# Altium PCB Soldermask_new.PcbDoc (part 3 of 4)
Units mm, origin at the board's own origin, x right, y up, seen from the top; angles counter-clockwise.
Board outline 56.52 x 96.27 mm, 2 copper layers (Top Layer, Bottom Layer); 83 components, 70 nets, 284 pads, 137 vias.
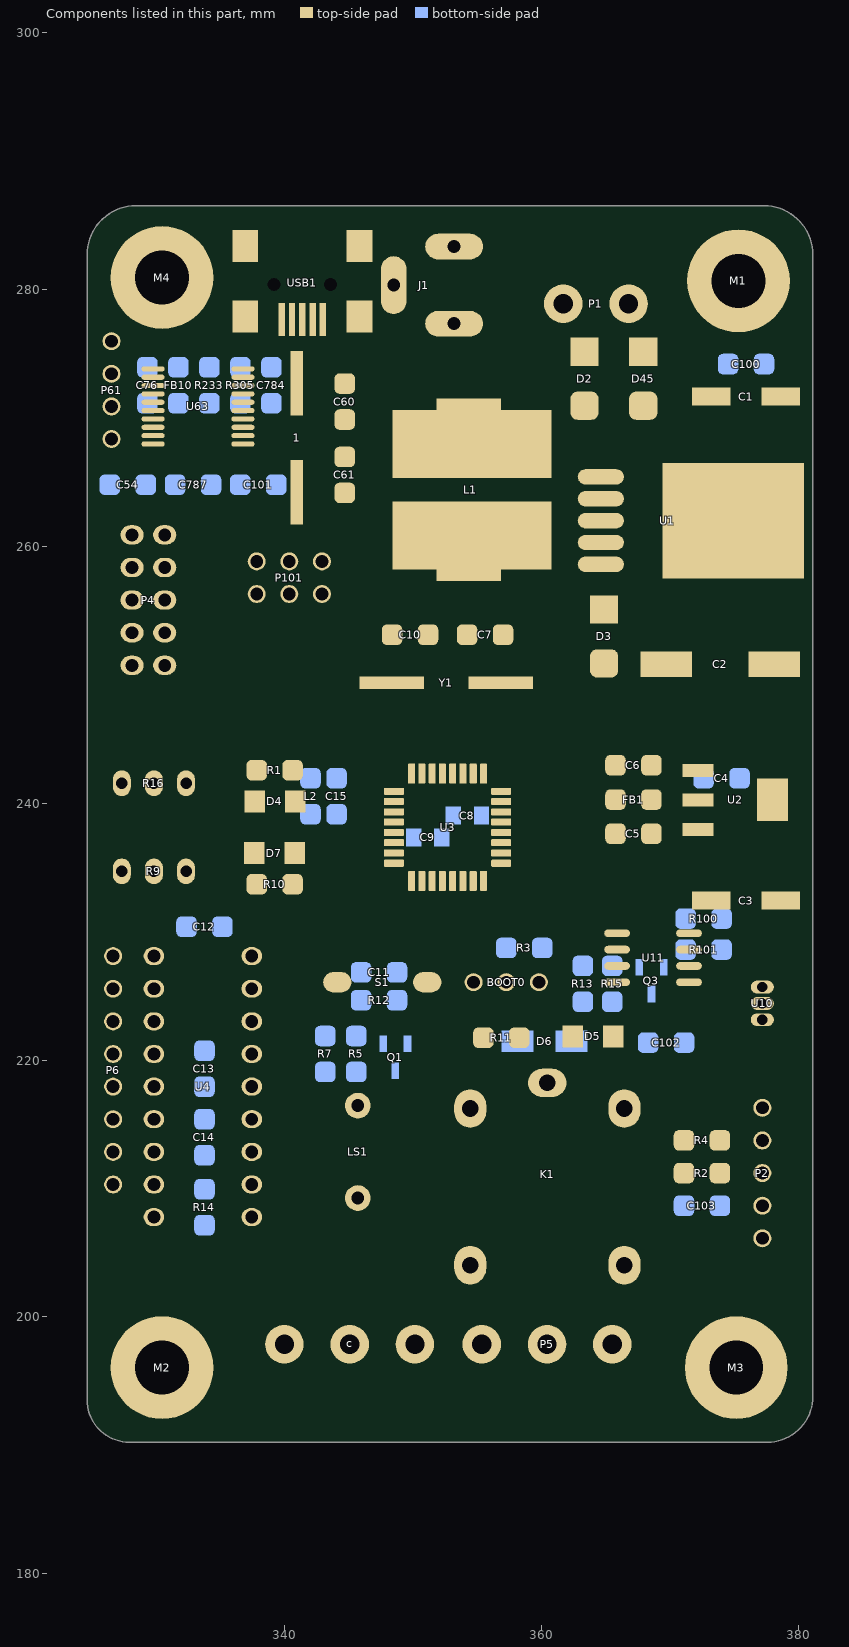
[diagram p3: the components of this part, seen from the top]

## Via types
v1: diameter 1, hole 0.5, Top Layer to Bottom Layer, tented both sides, 102 vias
v2: diameter 0.8, hole 0.5, Top Layer to Bottom Layer, tented both sides, 32 vias
v3: diameter 1, hole 0.5, Top Layer to Bottom Layer, 3 vias

## Nets (pads, with @x,y where several pads share a name; then routed paths per layer and width w, separated by ;. In a path a pad name is that pad's centre, name@x,y a point inside that pad or via, vN(x,y) a via of type N, cw(c..) or ccw(c..) an arc to the next point about the centre after c; other vN are vias at no path point) (continued)
copper on no net: (continued)
  Bottom Layer w0.051: 350.164,263.22 350.215,263.22 ; 350.215,263.119 350.317,263.119 ; 350.215,263.169 350.266,263.169 ; 350.266,263.068 350.368,263.068 ; 350.317,263.017 350.418,263.017 ; 350.368,262.306 350.774,262.306 ; 350.368,262.966 350.52,262.966 ; 350.418,262.204 350.825,262.204 ; 350.418,262.255 350.825,262.255 ; 350.418,262.357 350.571,262.357 ; 350.418,262.915 350.571,262.915 ; 350.469,261.696 350.571,261.696 ; 350.469,261.747 350.52,261.747 ; 350.469,262.153 350.52,262.153 ; 350.469,262.407 350.672,262.407 ; 350.469,262.865 350.622,262.865 ; 350.52,261.645 350.672,261.645 ; 350.52,262.458 350.723,262.458 ; 350.52,262.509 350.723,262.509 ; 350.52,262.56 350.672,262.56 ; 350.52,262.611 350.672,262.611 ; 350.52,262.814 350.672,262.814 ; 350.571,261.595 350.723,261.595 ; 350.571,262.763 350.723,262.763 ; 350.622,262.153 350.825,262.153 ; 350.622,262.712 350.774,262.712 ; 350.672,261.544 350.774,261.544 ; 350.672,262.103 350.774,262.103 ; 350.672,262.357 350.723,262.357 ; 350.672,262.661 350.825,262.661 ; 350.723,261.442 351.079,261.442 ; 350.723,261.493 350.977,261.493 ; 350.723,262.611 350.926,262.611 ; 350.774,261.391 351.18,261.391 ; 350.825,261.341 351.231,261.341 ; 350.825,262.56 350.977,262.56 ; 350.876,261.29 351.282,261.29 ; 350.876,262.509 351.028,262.509 ; 350.926,262.458 351.13,262.458 ; 350.977,262.407 351.18,262.407 ; 351.079,261.239 351.333,261.239 ; 351.079,262.357 351.231,262.357 ; 351.13,262.306 351.282,262.306 ; 351.18,261.188 351.333,261.188 ; 351.18,262.255 351.282,262.255 ; 351.231,261.137 351.384,261.137 ; 351.282,261.087 351.434,261.087 ; 351.282,262.204 351.333,262.204 ; 351.333,261.036 351.434,261.036 ; 351.333,261.595 351.434,261.595 ; 351.333,261.645 351.434,261.645 ; 351.333,261.696 351.434,261.696 ; 351.333,261.747 351.434,261.747 ; 351.333,261.798 351.434,261.798 ; 351.333,261.849 351.434,261.849 ; 351.333,261.899 351.434,261.899 ; 351.333,261.95 351.434,261.95 ; 351.333,262.001 351.384,262.001 ; 351.333,262.052 351.384,262.052 ; 351.333,262.103 351.384,262.103 ; 351.384,260.934 351.536,260.934 ; 351.384,260.985 351.485,260.985 ; 351.384,261.391 351.485,261.391 ; 351.384,261.442 351.434,261.442 ; 351.384,261.493 351.434,261.493 ; 351.384,261.544 351.434,261.544 ; 351.384,267.132 353.009,267.132 ; 351.384,267.183 352.958,267.183 ; 351.384,267.233 352.958,267.233 ; 351.384,267.284 352.958,267.284 ; 351.384,267.335 352.908,267.335 ; 351.384,267.386 352.908,267.386 ; 351.384,267.437 352.908,267.437 ; 351.384,267.487 352.857,267.487 ; 351.384,267.538 352.857,267.538 ; 351.384,267.589 352.857,267.589 ; 351.384,267.64 352.857,267.64 ; 351.384,267.691 352.857,267.691 ; 351.384,267.741 352.806,267.741 ; 351.384,267.792 352.806,267.792 ; 351.384,267.843 352.806,267.843 ; 351.384,267.894 352.806,267.894 ; 351.384,267.945 352.806,267.945 ; 351.384,267.995 352.806,267.995 ; 351.384,268.046 352.755,268.046 ; 351.434,260.883 351.536,260.883 ; 351.434,261.341 351.638,261.341 ; 351.434,266.776 353.162,266.776 ; 351.434,266.827 353.111,266.827 ; 351.434,266.878 353.111,266.878 ; 351.434,266.929 353.06,266.929 ; 351.434,266.979 353.06,266.979 ; 351.434,267.03 353.009,267.03 ; 351.434,267.081 353.009,267.081 ; 351.434,268.097 352.755,268.097 ; 351.434,268.148 352.755,268.148 ; 351.434,268.199 352.755,268.199 ; 351.434,268.249 352.755,268.249 ; 351.434,268.3 352.755,268.3 ; 351.434,268.351 352.755,268.351 ; 351.434,268.402 352.755,268.402 ; 351.434,268.453 352.755,268.453 ; 351.434,268.503 352.755,268.503 ; 351.485,260.833 351.587,260.833 ; 351.485,261.29 351.688,261.29 ; 351.485,266.522 353.263,266.522 ; 351.485,266.573 353.263,266.573 ; 351.485,266.624 353.212,266.624 ; 351.485,266.675 353.162,266.675 ; 351.485,266.725 353.162,266.725 ; 351.485,268.554 352.755,268.554 ; 351.485,268.605 352.755,268.605 ; 351.485,268.656 352.755,268.656 ; 351.485,268.707 352.755,268.707 ; 351.536,260.782 351.638,260.782 ; 351.536,261.239 351.739,261.239 ; 351.536,261.391 351.587,261.391 ; 351.536,266.319 353.416,266.319 ; 351.536,266.37 353.365,266.37 ; 351.536,266.421 353.365,266.421 ; 351.536,266.471 353.314,266.471 ; 351.536,268.757 352.755,268.757 ; 351.536,268.808 352.755,268.808 ; 351.536,268.859 352.755,268.859 ; 351.536,268.91 352.755,268.91 ; 351.587,260.731 351.688,260.731 ; 351.587,266.167 353.517,266.167 ; 351.587,266.217 353.466,266.217 ; 351.587,266.268 353.416,266.268 ; 351.587,268.961 352.755,268.961 ; 351.587,269.011 352.755,269.011 ; 351.587,269.062 352.806,269.062 ; 351.587,269.113 352.806,269.113 ; 351.638,260.68 351.739,260.68 ; 351.638,266.014 353.619,266.014 ; 351.638,266.065 353.568,266.065 ; 351.638,266.116 353.517,266.116 ; 351.638,269.164 352.806,269.164 ; 351.638,269.215 352.806,269.215 ; 351.638,269.265 352.806,269.265 ; 351.688,260.629 351.841,260.629 ; 351.688,261.188 351.841,261.188 ; 351.688,265.862 353.72,265.862 ; 351.688,265.913 353.72,265.913 ; 351.688,265.963 353.67,265.963 ; 351.688,269.316 352.806,269.316 ; 351.688,269.367 352.857,269.367 ; 351.739,261.087 352.247,261.087 ; 351.739,261.137 351.993,261.137 ; 351.739,265.76 353.822,265.76 ; 351.739,265.811 353.771,265.811 ; 351.739,269.418 352.857,269.418 ; 351.739,269.469 352.857,269.469 ; 351.739,269.519 352.857,269.519 ; 351.79,260.579 351.892,260.579 ; 351.79,261.036 352.958,261.036 ; 351.79,265.608 353.974,265.608 ; 351.79,265.659 353.924,265.659 ; 351.79,265.709 353.873,265.709 ; 351.79,269.57 352.908,269.57 ; 351.79,269.621 352.908,269.621 ; 351.841,260.528 351.942,260.528 ; 351.841,265.506 354.076,265.506 ; 351.841,265.557 354.025,265.557 ; 351.841,269.672 352.908,269.672 ; 351.841,269.723 352.958,269.723 ; 351.841,269.773 352.958,269.773 ; 351.892,260.985 352.958,260.985 ; 351.892,265.354 354.228,265.354 ; 351.892,265.405 354.178,265.405 ; 351.892,265.455 354.127,265.455 ; 351.892,269.824 352.958,269.824 ; 351.892,269.875 352.958,269.875 ; 351.942,260.934 352.958,260.934 ; 351.942,265.252 354.381,265.252 ; 351.942,265.303 354.33,265.303 ; 351.942,269.926 353.009,269.926 ; 351.942,269.977 353.009,269.977 ; 351.993,265.201 354.432,265.201 ; 351.993,270.027 353.06,270.027 ; 351.993,270.078 353.06,270.078 ; 351.993,270.129 353.111,270.129 ; 352.044,265.049 354.736,265.049 ; 352.044,265.1 354.635,265.1 ; 352.044,265.151 354.533,265.151 ; 352.044,270.18 353.111,270.18 ; 352.095,260.883 352.908,260.883 ; 352.095,264.998 354.838,264.998 ; 352.095,270.231 353.111,270.231 ; 352.095,270.281 353.162,270.281 ; 352.146,261.595 352.501,261.595 ; 352.146,264.897 354.99,264.897 ; 352.146,264.947 354.889,264.947 ; 352.146,270.332 353.162,270.332 ; 352.146,270.383 353.212,270.383 ; 352.196,261.493 352.552,261.493 ; 352.196,261.544 352.552,261.544 ; 352.196,261.645 352.349,261.645 ; 352.196,264.795 355.194,264.795 ; 352.196,264.846 355.092,264.846 ; 352.196,270.434 353.212,270.434 ; 352.247,261.442 352.298,261.442 ; 352.247,261.696 352.298,261.696 ; 352.247,264.744 355.295,264.744 ; 352.247,270.485 353.263,270.485 ; 352.247,270.535 353.263,270.535 ; 352.298,264.643 355.6,264.643 ; 352.298,264.693 355.448,264.693 ; 352.298,270.586 353.314,270.586 ; 352.349,264.592 355.752,264.592 ; 352.349,270.637 353.365,270.637 ; 352.4,261.442 352.552,261.442 ; 352.4,261.645 352.501,261.645 ; 352.4,264.49 356.26,264.49 ; 352.4,264.541 355.956,264.541 ; 352.4,270.688 353.365,270.688 ; 352.45,260.833 352.755,260.833 ; 352.45,264.439 356.972,264.439 ; 352.45,270.739 353.416,270.739 ; 352.45,270.789 353.466,270.789 ; 352.501,264.389 357.022,264.389 ; 352.501,270.84 353.466,270.84 ; 352.552,264.338 357.022,264.338 ; 352.552,270.891 353.517,270.891 ; 352.603,264.287 357.022,264.287 ; 352.603,270.942 353.568,270.942 ; 352.654,264.185 357.022,264.185 ; 352.654,264.236 357.022,264.236 ; 352.654,270.993 353.568,270.993 ; 352.654,271.043 353.619,271.043 ; 352.704,261.087 352.958,261.087 ; 352.704,264.135 357.022,264.135 ; 352.704,271.094 353.67,271.094 ; 352.755,264.084 357.022,264.084 ; 352.755,271.145 353.72,271.145 ; 352.806,264.033 357.022,264.033 ; 352.806,271.196 353.771,271.196 ; 352.857,261.137 352.958,261.137 ; 352.857,263.982 357.022,263.982 ; 352.857,271.247 353.822,271.247 ; 352.908,261.188 352.958,261.188 ; 352.908,261.239 352.958,261.239 ; 352.908,263.931 357.022,263.931 ; 352.908,271.297 353.822,271.297 ; 352.958,263.881 357.022,263.881 ; 352.958,271.348 353.873,271.348 ; 353.009,263.83 357.022,263.83 ; 353.009,271.399 353.924,271.399 ; 353.06,263.779 357.022,263.779 ; 353.06,271.45 353.974,271.45 ; 353.111,263.728 357.022,263.728 ; 353.111,271.501 354.025,271.501 ; 353.162,260.985 353.619,260.985 ; 353.162,261.036 353.568,261.036 ; 353.162,261.087 353.517,261.087 ; 353.162,261.137 353.263,261.137 ; 353.162,261.188 353.263,261.188 ; 353.162,263.677 357.022,263.677 ; 353.162,271.551 354.127,271.551 ; 353.212,260.934 353.466,260.934 ; 353.212,271.602 354.178,271.602 ; 353.263,260.883 353.416,260.883 ; 353.263,263.627 357.022,263.627 ; 353.263,268.097 353.517,268.097 ; 353.263,268.148 353.466,268.148 ; 353.263,268.199 353.466,268.199 ; 353.263,268.249 353.466,268.249 ; 353.263,268.3 353.466,268.3 ; 353.263,268.351 353.466,268.351 ; 353.263,268.402 353.466,268.402 ; 353.263,268.453 353.466,268.453 ; 353.263,268.503 353.466,268.503 ; 353.263,268.554 353.466,268.554 ; 353.263,268.605 353.466,268.605 ; 353.263,268.656 353.466,268.656 ; 353.263,268.707 353.466,268.707 ; 353.263,268.757 353.314,268.757 ; 353.263,268.808 353.314,268.808 ; 353.263,268.859 353.314,268.859 ; 353.263,268.91 353.314,268.91 ; 353.263,268.961 353.365,268.961 ; 353.263,269.011 353.72,269.011 ; 353.263,271.653 354.228,271.653 ; 353.314,261.137 353.466,261.137 ; 353.314,261.29 353.416,261.29 ; 353.314,261.341 353.365,261.341 ; 353.314,263.576 357.022,263.576 ; 353.314,267.792 353.466,267.792 ; 353.314,267.843 353.873,267.843 ; 353.314,267.894 353.873,267.894 ; 353.314,267.945 353.873,267.945 ; 353.314,267.995 353.873,267.995 ; 353.314,268.046 353.822,268.046 ; 353.314,269.062 353.72,269.062 ; 353.314,269.113 353.72,269.113 ; 353.314,269.164 353.72,269.164 ; 353.314,269.215 353.72,269.215 ; 353.314,269.265 353.72,269.265 ; 353.314,269.316 353.72,269.316 ; 353.314,271.704 354.279,271.704 ; 353.365,261.188 353.466,261.188 ; 353.365,261.239 353.416,261.239 ; 353.365,263.525 357.022,263.525 ; 353.365,267.589 353.466,267.589 ; 353.365,267.64 353.466,267.64 ; 353.365,267.691 353.416,267.691 ; 353.365,267.741 353.416,267.741 ; 353.365,269.367 353.416,269.367 ; 353.365,269.418 353.416,269.418 ; 353.365,269.469 353.416,269.469 ; 353.365,269.519 353.416,269.519 ; 353.365,269.57 353.416,269.57 ; 353.416,263.474 357.022,263.474 ; 353.416,267.386 353.822,267.386 ; 353.416,267.437 353.517,267.437 ; 353.416,267.487 353.466,267.487 ; 353.416,267.538 353.466,267.538 ; 353.416,268.757 353.466,268.757 ; 353.416,268.808 353.466,268.808 ; 353.416,269.621 353.466,269.621 ; 353.416,269.672 353.466,269.672 ; 353.416,269.723 353.517,269.723 ; 353.416,271.755 354.381,271.755 ; 353.466,263.423 357.022,263.423 ; 353.466,267.233 353.771,267.233 ; 353.466,267.284 353.771,267.284 ; 353.466,267.335 353.771,267.335 ; 353.466,269.773 354.025,269.773 ; 353.466,269.824 354.076,269.824 ; 353.466,269.875 354.076,269.875 ; 353.466,271.805 354.432,271.805 ; 353.517,260.883 353.771,260.883 ; 353.517,260.934 353.67,260.934 ; 353.517,263.373 357.022,263.373 ; 353.517,267.132 353.822,267.132 ; 353.517,267.183 353.822,267.183 ; 353.517,267.792 353.873,267.792 ; 353.517,268.249 355.041,268.249 ; 353.517,268.3 355.041,268.3 ; 353.517,268.351 355.092,268.351 ; 353.517,268.402 355.143,268.402 ; 353.517,268.453 355.194,268.453 ; 353.517,268.503 355.244,268.503 ; 353.517,268.554 356.413,268.554 ; 353.517,268.605 356.413,268.605 ; 353.517,268.656 356.362,268.656 ; 353.517,268.707 355.448,268.707 ; 353.517,268.757 355.244,268.757 ; 353.517,268.808 355.194,268.808 ; 353.517,268.859 353.72,268.859 ; 353.517,268.91 353.72,268.91 ; 353.517,268.961 353.72,268.961 ; 353.517,269.367 353.72,269.367 ; 353.517,269.926 354.076,269.926 ; 353.517,269.977 354.076,269.977 ; 353.517,271.856 354.482,271.856 ; 353.568,267.03 353.619,267.03 ; 353.568,267.081 353.619,267.081 ; 353.568,267.691 353.873,267.691 ; 353.568,267.741 353.873,267.741 ; 353.568,269.723 353.873,269.723 ; 353.568,270.027 354.076,270.027 ; 353.568,270.078 354.127,270.078 ; 353.619,263.322 357.022,263.322 ; 353.619,266.878 353.822,266.878 ; 353.619,266.929 353.67,266.929 ; 353.619,267.437 353.822,267.437 ; 353.619,267.487 353.873,267.487 ; 353.619,267.538 353.873,267.538 ; 353.619,267.589 353.873,267.589 ; 353.619,267.64 353.873,267.64 ; 353.619,269.418 353.72,269.418 ; 353.619,269.469 353.72,269.469 ; 353.619,269.672 353.67,269.672 ; 353.619,270.129 354.127,270.129 ; 353.619,270.18 354.127,270.18 ; 353.619,271.907 354.584,271.907 ; 353.67,260.833 353.822,260.833 ; 353.67,261.442 353.771,261.442 ; 353.67,261.493 353.771,261.493 ; 353.67,261.544 353.771,261.544 ; 353.67,261.595 353.771,261.595 ; 353.67,261.645 353.771,261.645 ; 353.67,261.696 353.771,261.696 ; 353.67,261.747 353.771,261.747 ; 353.67,261.798 353.771,261.798 ; 353.67,261.849 353.771,261.849 ; 353.67,261.899 353.72,261.899 ; 353.67,261.95 353.72,261.95 ; 353.67,262.001 353.72,262.001 ; 353.67,263.271 357.022,263.271 ; 353.67,266.776 353.822,266.776 ; 353.67,266.827 353.822,266.827 ; 353.67,267.081 353.822,267.081 ; 353.67,270.231 354.127,270.231 ; 353.67,270.281 354.127,270.281 ; 353.67,270.332 354.127,270.332 ; 353.67,271.958 354.635,271.958 ; 353.72,261.29 353.822,261.29 ; 353.72,261.341 353.771,261.341 ; 353.72,261.391 353.771,261.391 ; 353.72,266.675 353.822,266.675 ; 353.72,266.725 353.822,266.725 ; 353.72,270.383 354.127,270.383 ; 353.72,272.009 354.736,272.009 ; 353.771,263.22 357.022,263.22 ; 353.771,266.624 353.822,266.624 ; 353.771,267.03 353.822,267.03 ; 353.771,270.434 354.127,270.434 ; 353.771,270.485 354.178,270.485 ; 353.822,263.169 357.022,263.169 ; 353.822,266.522 355.397,266.522 ; 353.822,266.573 353.873,266.573 ; 353.822,269.062 354.025,269.062 ; 353.822,269.113 354.635,269.113 ; 353.822,269.164 354.686,269.164 ; 353.822,269.215 354.686,269.215 ; 353.822,269.265 354.686,269.265 ; 353.822,269.316 354.686,269.316 ; 353.822,269.367 354.686,269.367 ; 353.822,269.418 354.686,269.418 ; 353.822,269.469 354.686,269.469 ; 353.822,269.519 354.686,269.519 ; 353.822,270.535 354.178,270.535 ; 353.822,272.059 354.787,272.059 ; 353.873,266.471 354.432,266.471 ; 353.873,266.675 355.295,266.675 ; 353.873,266.725 355.244,266.725 ; 353.873,266.776 355.194,266.776 ; 353.873,266.827 355.143,266.827 ; 353.873,266.878 353.974,266.878 ; 353.873,266.929 353.924,266.929 ; 353.873,270.586 354.178,270.586 ; 353.873,270.637 354.178,270.637 ; 353.924,263.119 357.022,263.119 ; 353.924,266.421 353.974,266.421 ; 353.924,266.573 355.397,266.573 ; 353.924,266.624 355.397,266.624 ; 353.924,270.688 354.178,270.688 ; 353.924,272.11 354.889,272.11 ; 353.974,261.341 354.076,261.341 ; 353.974,261.391 354.025,261.391 ; 353.974,266.319 354.076,266.319 ; 353.974,266.37 354.025,266.37 ; 353.974,267.487 354.33,267.487 ; 353.974,267.538 354.381,267.538 ; 353.974,267.589 354.432,267.589 ; 353.974,267.64 355.295,267.64 ; 353.974,267.691 355.194,267.691 ; 353.974,267.741 355.143,267.741 ; 353.974,267.792 355.092,267.792 ; 353.974,267.843 355.041,267.843 ; 353.974,267.894 355.041,267.894 ; 353.974,267.945 354.99,267.945 ; 353.974,267.995 354.381,267.995 ; 353.974,270.739 354.381,270.739 ; 353.974,270.789 354.584,270.789 ; 354.025,261.188 354.127,261.188 ; 354.025,261.239 354.127,261.239 ; 354.025,261.29 354.076,261.29 ; 354.025,263.068 357.022,263.068 ; 354.025,266.268 354.228,266.268 ; 354.025,267.437 354.33,267.437 ; 354.025,268.859 355.143,268.859 ; 354.025,269.57 354.736,269.57 ; 354.025,270.84 354.889,270.84 ; 354.025,272.161 354.99,272.161 ; 354.076,261.036 354.228,261.036 ; 354.076,261.087 354.178,261.087 ; 354.076,261.137 354.178,261.137 ; 354.076,263.017 357.022,263.017 ; 354.076,266.217 354.381,266.217 ; 354.076,267.386 354.33,267.386 ; 354.076,270.891 354.889,270.891 ; 354.076,272.212 355.092,272.212 ; 354.127,260.985 354.279,260.985 ; 354.127,266.167 354.432,266.167 ; 354.127,266.421 354.381,266.421 ; 354.127,267.284 354.33,267.284 ; 354.127,267.335 354.33,267.335 ; 354.127,269.621 354.736,269.621 ; 354.127,270.942 354.33,270.942 ; 354.178,260.934 354.381,260.934 ; 354.178,262.966 357.022,262.966 ; 354.178,266.116 354.432,266.116 ; 354.178,266.878 355.092,266.878 ; 354.178,266.929 355.092,266.929 ; 354.178,266.979 355.092,266.979 ; 354.178,267.03 354.533,267.03 ; 354.178,267.081 354.432,267.081 ; 354.178,267.132 354.381,267.132 ; 354.178,267.183 354.33,267.183 ; 354.178,267.233 354.33,267.233 ; 354.178,269.672 354.736,269.672 ; 354.178,269.723 354.736,269.723 ; 354.178,269.773 354.736,269.773 ; 354.178,269.824 354.787,269.824 ; 354.178,269.875 355.346,269.875 ; 354.178,269.926 355.295,269.926 ; 354.178,270.993 354.33,270.993 ; 354.178,271.043 354.33,271.043 ; 354.178,272.263 355.244,272.263 ; 354.228,266.014 354.584,266.014 ; 354.228,266.065 354.533,266.065 ; 354.228,268.199 354.99,268.199 ; 354.228,269.977 355.244,269.977 ; 354.228,270.027 355.194,270.027 ; 354.228,270.078 355.143,270.078 ; 354.228,270.129 355.092,270.129 ; 354.228,270.18 355.041,270.18 ; 354.228,270.231 355.041,270.231 ; 354.228,271.094 354.381,271.094 ; 354.228,272.313 355.346,272.313 ; 354.279,260.883 354.482,260.883 ; 354.279,262.915 357.022,262.915 ; 354.279,265.963 355.549,265.963 ; 354.279,266.37 354.33,266.37 ; 354.279,270.281 354.99,270.281 ; 354.279,270.332 354.99,270.332 ; 354.279,270.383 354.99,270.383 ; 354.279,270.434 354.94,270.434 ; 354.279,270.485 354.94,270.485 ; 354.279,270.535 354.94,270.535 ; 354.279,271.145 354.432,271.145 ; 354.33,265.913 354.787,265.913 ; 354.33,270.586 354.94,270.586 ; 354.33,271.196 354.482,271.196 ; 354.33,272.364 355.498,272.364 ; 354.381,262.865 357.022,262.865 ; 354.381,265.862 354.686,265.862 ; 354.432,261.645 354.686,261.645 ; 354.432,261.696 354.686,261.696 ; 354.432,261.747 354.686,261.747 ; 354.432,261.798 354.686,261.798 ; 354.432,262.407 354.635,262.407 ; 354.432,270.942 354.94,270.942 ; 354.432,271.247 354.533,271.247 ; 354.432,272.415 355.6,272.415 ; 354.482,261.544 354.584,261.544 ; 354.482,261.595 354.533,261.595 ; 354.482,261.849 354.635,261.849 ; 354.482,262.306 354.635,262.306 ; 354.482,262.357 354.686,262.357 ; 354.482,262.458 354.635,262.458 ; 354.482,262.814 357.022,262.814 ; 354.482,265.811 354.686,265.811 ; 354.482,270.993 354.94,270.993 ; 354.482,271.297 355.041,271.297 ; 354.533,261.442 354.838,261.442 ; 354.533,261.493 354.838,261.493 ; 354.533,262.255 354.584,262.255 ; 354.533,262.509 354.584,262.509 ; 354.533,265.76 354.686,265.76 ; 354.533,271.043 354.94,271.043 ; 354.533,271.348 355.092,271.348 ; 354.533,272.466 355.6,272.466 ; 354.584,261.391 354.838,261.391 ; 354.584,262.763 357.022,262.763 ; 354.584,265.709 354.736,265.709 ; 354.584,271.094 354.94,271.094 ; 354.584,271.145 354.99,271.145 ; 354.584,271.247 355.041,271.247 ; 354.584,271.399 355.143,271.399 ; 354.635,261.341 354.838,261.341 ; 354.635,265.659 354.736,265.659 ; 354.635,266.471 355.448,266.471 ; 354.635,267.589 356.667,267.589 ; 354.635,270.637 354.94,270.637 ; 354.635,271.196 354.99,271.196 ; 354.635,271.45 355.194,271.45 ; 354.635,272.517 355.6,272.517 ; 354.686,262.712 357.022,262.712 ; 354.686,265.608 354.838,265.608 ; 354.686,266.421 355.448,266.421 ; 354.686,267.03 355.092,267.03 ; 354.686,270.688 354.94,270.688 ; 354.686,270.739 354.889,270.739 ; 354.686,270.789 354.889,270.789 ; 354.686,271.501 355.194,271.501 ; 354.736,261.188 354.838,261.188 ; 354.736,261.239 354.838,261.239 ; 354.736,261.29 354.838,261.29 ; 354.736,265.557 354.889,265.557 ; 354.736,266.37 355.448,266.37 ; 354.736,267.081 355.092,267.081 ; 354.736,267.487 356.565,267.487 ; 354.736,267.538 356.616,267.538 ; 354.787,260.985 354.889,260.985 ; 354.787,261.036 354.889,261.036 ; 354.787,261.087 354.838,261.087 ; 354.787,261.137 354.838,261.137 ; 354.787,262.661 357.022,262.661 ; 354.787,266.319 355.448,266.319 ; 354.787,267.132 355.092,267.132 ; 354.787,267.437 356.514,267.437 ; 354.787,271.551 355.295,271.551 ; 354.787,272.567 355.549,272.567 ; 354.838,260.883 354.94,260.883 ; 354.838,260.934 354.889,260.934 ; 354.838,265.506 355.041,265.506 ; 354.838,266.217 355.498,266.217 ; 354.838,266.268 355.448,266.268 ; 354.838,267.183 355.143,267.183 ; 354.838,267.233 355.194,267.233 ; 354.838,267.284 355.244,267.284 ; 354.838,267.335 356.464,267.335 ; 354.838,267.386 356.464,267.386 ; 354.838,268.91 355.143,268.91 ; 354.838,268.961 355.092,268.961 ; 354.838,269.011 355.092,269.011 ; 354.838,269.062 355.092,269.062 ; 354.838,269.113 355.092,269.113 ; 354.838,269.164 355.092,269.164 ; 354.838,269.215 355.143,269.215 ; 354.838,269.265 355.143,269.265 ; 354.838,269.316 355.194,269.316 ; 354.838,271.602 355.346,271.602 ; 354.889,260.782 355.041,260.782 ; 354.889,260.833 354.99,260.833 ; 354.889,262.611 357.022,262.611 ; 354.889,265.455 355.854,265.455 ; 354.889,265.913 355.905,265.913 ; 354.889,266.014 355.498,266.014 ; 354.889,266.065 355.498,266.065 ; 354.889,266.116 355.498,266.116 ; 354.889,266.167 355.498,266.167 ; 354.889,269.367 355.244,269.367 ; 354.889,269.418 356.514,269.418 ; 354.889,269.469 356.514,269.469 ; 354.889,269.519 356.565,269.519 ; 354.889,269.57 356.616,269.57 ; 354.889,269.621 356.616,269.621 ; 354.889,271.653 355.448,271.653 ; 354.889,272.618 355.549,272.618 ; 354.94,260.731 355.194,260.731 ; 354.99,260.68 355.651,260.68 ; 354.99,265.405 355.244,265.405 ; 354.99,271.704 355.549,271.704 ; 355.041,260.629 355.651,260.629 ; 355.041,262.56 357.022,262.56 ; 355.041,265.354 355.244,265.354 ; 355.041,265.862 356.667,265.862 ; 355.041,269.824 355.397,269.824 ; 355.041,272.669 355.549,272.669 ; 355.092,260.579 355.6,260.579 ; 355.092,261.087 355.295,261.087 ; 355.092,261.137 355.346,261.137 ; 355.092,261.188 355.295,261.188 ; 355.092,261.239 355.295,261.239 ; 355.092,265.811 356.768,265.811 ; 355.092,269.773 355.498,269.773 ; 355.092,271.755 355.854,271.755 ; 355.143,260.528 355.549,260.528 ; 355.143,261.036 355.244,261.036 ; 355.143,261.29 355.244,261.29 ; 355.143,265.303 355.295,265.303 ; 355.143,265.76 356.87,265.76 ; 355.143,269.672 356.667,269.672 ; 355.143,269.723 355.651,269.723 ; 355.143,271.805 356.768,271.805 ; 355.194,265.506 355.854,265.506 ; 355.194,265.709 357.175,265.709 ; 355.194,272.72 355.549,272.72 ; 355.244,262.509 357.022,262.509 ; 355.244,265.252 355.346,265.252 ; 355.244,265.557 355.549,265.557 ; 355.244,271.856 356.768,271.856 ; 355.295,260.477 355.498,260.477 ; 355.295,265.201 355.448,265.201 ; 355.295,270.688 355.549,270.688 ; 355.295,270.739 355.549,270.739 ; 355.346,262.153 355.448,262.153 ; 355.346,265.405 355.905,265.405 ; 355.346,270.535 355.6,270.535 ; 355.346,270.586 355.6,270.586 ; 355.346,270.637 355.549,270.637 ; 355.346,270.789 355.549,270.789 ; 355.346,270.84 355.6,270.84 ; 355.346,270.891 355.6,270.891 ; 355.346,271.907 356.768,271.907 ; 355.346,272.771 355.498,272.771 ; 355.397,262.103 355.549,262.103 ; 355.397,262.458 357.022,262.458 ; 355.397,265.151 356.616,265.151 ; 355.397,265.659 359.359,265.659 ; 355.397,270.383 355.803,270.383 ; 355.397,270.434 355.702,270.434 ; 355.397,270.485 355.651,270.485 ; 355.397,270.942 355.651,270.942 ; 355.397,270.993 355.702,270.993 ; 355.448,260.731 355.702,260.731 ; 355.448,262.052 356.006,262.052 ; 355.448,265.354 355.905,265.354 ; 355.448,270.332 356.362,270.332 ; 355.448,271.043 355.803,271.043 ; 355.448,271.094 356.362,271.094 ; 355.448,271.958 356.21,271.958 ; 355.498,261.188 355.6,261.188 ; 355.498,261.239 355.549,261.239 ; 355.498,262.001 356.108,262.001 ; 355.498,265.1 356.616,265.1 ; 355.498,267.284 356.413,267.284 ; 355.498,268.707 356.362,268.707 ; 355.498,270.281 356.311,270.281 ; 355.498,271.145 356.311,271.145 ; 355.549,260.782 355.702,260.782 ; 355.549,260.833 355.702,260.833 ; 355.549,261.036 355.651,261.036 ; 355.549,261.087 355.6,261.087 ; 355.549,261.137 355.6,261.137 ; 355.549,265.201 356.26,265.201 ; 355.549,265.303 355.905,265.303 ; 355.6,260.883 355.651,260.883 ; 355.6,260.934 355.651,260.934 ; 355.6,260.985 355.651,260.985 ; 355.6,261.95 356.108,261.95 ; 355.6,262.407 357.022,262.407 ; 355.6,265.252 355.905,265.252 ; 355.6,266.268 356.311,266.268 ; 355.6,266.319 356.311,266.319 ; 355.6,266.37 356.26,266.37 ; 355.6,266.421 356.26,266.421 ; 355.6,266.471 356.26,266.471 ; 355.6,266.522 356.26,266.522 ; 355.6,266.573 356.26,266.573 ; 355.6,267.233 356.362,267.233 ; 355.6,267.64 356.768,267.64 ; 355.6,268.503 356.413,268.503 ; 355.6,268.757 356.362,268.757 ; 355.6,269.367 356.464,269.367 ; 355.6,270.231 356.26,270.231 ; 355.6,271.196 356.26,271.196 ; 355.6,272.009 356.006,272.009 ; 355.651,265.049 356.006,265.049 ; 355.651,266.065 356.464,266.065 ; 355.651,266.116 356.413,266.116 ; 355.651,266.167 356.362,266.167 ; 355.651,266.217 356.362,266.217 ; 355.651,266.624 356.26,266.624 ; 355.651,270.18 356.159,270.18 ; 355.651,271.247 356.159,271.247 ; 355.702,266.675 356.26,266.675 ; 355.702,267.132 356.311,267.132 ; 355.702,267.183 356.362,267.183 ; 355.702,267.691 356.87,267.691 ; 355.702,268.453 356.464,268.453 ; 355.702,268.808 356.362,268.808 ; 355.702,269.265 356.413,269.265 ; 355.702,269.316 356.413,269.316 ; 355.702,272.059 356.006,272.059 ; 355.752,262.103 355.905,262.103 ; 355.752,266.725 356.26,266.725 ; 355.752,267.03 356.311,267.03 ; 355.752,267.081 356.311,267.081 ; 355.752,267.741 358.089,267.741 ; 355.752,268.402 356.464,268.402 ; 355.752,268.859 356.362,268.859 ; 355.752,268.91 356.362,268.91 ; 355.752,268.961 356.362,268.961 ; 355.752,269.164 356.362,269.164 ; 355.752,269.215 356.362,269.215 ; 355.803,262.357 357.022,262.357 ; 355.803,264.998 356.057,264.998 ; 355.803,265.608 356.565,265.608 ; 355.803,266.776 356.26,266.776 ; 355.803,266.827 356.26,266.827 ; 355.803,266.878 356.26,266.878 ; 355.803,266.929 356.26,266.929 ; 355.803,266.979 356.26,266.979 ; 355.803,267.792 358.191,267.792 ; 355.803,268.351 356.514,268.351 ; 355.803,269.011 356.362,269.011 ; 355.803,269.062 356.362,269.062 ; 355.803,269.113 356.362,269.113 ; 355.803,271.297 356.006,271.297 ; 355.803,272.11 356.057,272.11 ; 355.854,261.137 355.956,261.137 ; 355.854,261.188 355.956,261.188 ; 355.854,261.239 355.956,261.239 ; 355.854,261.29 355.956,261.29 ; 355.854,261.341 355.956,261.341 ; 355.854,261.391 355.956,261.391 ; 355.854,261.442 355.956,261.442 ; 355.854,261.493 355.956,261.493 ; 355.854,261.544 355.956,261.544 ; 355.854,261.595 355.905,261.595 ; 355.854,261.645 355.905,261.645 ; 355.854,261.696 355.905,261.696 ; 355.854,267.843 356.514,267.843 ; 355.854,267.894 356.514,267.894 ; 355.854,268.249 356.565,268.249 ; 355.854,268.3 356.565,268.3 ; 355.905,260.985 356.006,260.985 ; 355.905,261.036 355.956,261.036 ; 355.905,261.087 355.956,261.087 ; 355.905,267.945 357.124,267.945 ; 355.905,267.995 356.972,267.995 ; 355.905,268.046 356.87,268.046 ; 355.905,268.097 356.768,268.097 ; 355.905,268.148 356.667,268.148 ; 355.905,268.199 356.616,268.199 ; 355.956,260.934 356.006,260.934 ; 355.956,265.557 356.565,265.557 ; 355.956,271.755 356.768,271.755 ; 356.006,264.947 356.159,264.947 ; 356.006,265.405 356.565,265.405 ; 356.006,265.455 356.565,265.455 ; 356.006,265.506 356.565,265.506 ; 356.006,270.383 356.413,270.383 ; 356.006,271.043 356.413,271.043 ; 356.006,272.161 357.276,272.161 ; 356.057,262.306 357.022,262.306 ; 356.057,265.303 356.565,265.303 ; 356.057,265.354 356.565,265.354 ; 356.057,266.014 356.514,266.014 ; 356.108,261.899 356.159,261.899 ; 356.108,270.434 356.413,270.434 ; 356.108,270.993 356.413,270.993 ; 356.159,270.485 356.464,270.485 ; 356.159,270.942 356.464,270.942 ; 356.21,264.897 357.784,264.897 ; 356.21,265.963 356.565,265.963 ; 356.21,269.723 356.718,269.723 ; 356.21,270.535 356.464,270.535 ; 356.21,270.891 356.464,270.891 ; 356.21,272.11 357.327,272.11 ; 356.21,272.212 357.784,272.212 ; 356.26,261.188 356.514,261.188 ; 356.26,261.239 356.514,261.239 ; 356.26,261.29 356.514,261.29 ; 356.26,261.341 356.464,261.341 ; 356.26,261.391 356.464,261.391 ; 356.26,261.442 356.413,261.442 ; 356.26,265.913 356.616,265.913 ; 356.26,270.586 356.464,270.586 ; 356.26,270.637 356.514,270.637 ; 356.26,270.688 356.514,270.688 ; 356.26,270.739 356.514,270.739 ; 356.26,270.789 356.464,270.789 ; 356.26,270.84 356.464,270.84 ; 356.26,271.704 356.768,271.704 ; 356.26,272.059 357.327,272.059 ; 356.311,261.087 356.413,261.087 ; 356.311,261.137 356.413,261.137 ; 356.311,265.049 356.616,265.049 ; 356.362,260.985 356.514,260.985 ; 356.362,261.036 356.464,261.036 ; 356.362,264.947 357.988,264.947 ; 356.362,264.998 358.14,264.998 ; 356.362,269.773 356.819,269.773 ; 356.362,271.653 356.819,271.653 ; 356.413,260.934 356.616,260.934 ; 356.413,262.255 357.022,262.255 ; 356.464,264.846 357.48,264.846 ; 356.464,269.824 356.921,269.824 ; 356.464,271.602 356.819,271.602 ; 356.514,260.883 356.667,260.883 ; 356.514,265.252 356.565,265.252 ; 356.514,271.551 356.87,271.551 ; 356.565,269.875 357.022,269.875 ; 356.565,271.501 360.121,271.501 ; 356.616,265.608 359.308,265.608 ; 356.616,266.624 356.87,266.624 ; 356.616,266.675 356.87,266.675 ; 356.616,266.725 356.87,266.725 ; 356.616,266.776 356.87,266.776 ; 356.616,266.827 356.87,266.827 ; 356.616,267.843 359.41,267.843 ; 356.616,267.894 359.41,267.894 ; 356.616,269.926 357.276,269.926 ; 356.616,271.45 360.121,271.45 ; 356.667,261.341 356.768,261.341 ; 356.667,261.391 356.768,261.391 ; 356.667,266.421 356.972,266.421 ; 356.667,266.471 356.921,266.471 ; 356.667,266.522 356.921,266.522 ; 356.667,266.573 356.87,266.573 ; 356.667,266.878 356.921,266.878 ; 356.667,266.929 356.972,266.929 ; 356.667,269.977 361.086,269.977 ; 356.667,271.399 360.172,271.399 ; 356.667,272.263 357.48,272.263 ; 356.718,261.188 356.819,261.188 ; 356.718,261.239 356.819,261.239 ; 356.718,261.29 356.768,261.29 ; 356.718,265.151 358.546,265.151 ; 356.718,265.201 358.648,265.201 ; 356.718,265.252 358.75,265.252 ; 356.718,265.303 358.851,265.303 ; 356.718,265.354 358.902,265.354 ; 356.718,265.405 359.004,265.405 ; 356.718,265.455 359.105,265.455 ; 356.718,265.506 359.156,265.506 ; 356.718,265.557 359.258,265.557 ; 356.718,266.37 357.073,266.37 ; 356.718,266.979 357.022,266.979 ; 356.718,267.03 357.124,267.03 ; 356.718,270.027 361.086,270.027 ; 356.718,271.348 360.223,271.348 ; 356.768,261.087 356.87,261.087 ; 356.768,261.137 356.87,261.137 ; 356.768,265.049 358.292,265.049 ; 356.768,265.1 358.445,265.1 ; 356.768,266.319 357.683,266.319 ; 356.768,267.081 357.632,267.081 ; 356.768,270.078 361.036,270.078 ; 356.768,271.297 360.274,271.297 ; 356.819,260.985 357.022,260.985 ; 356.819,261.036 356.972,261.036 ; 356.819,266.268 357.632,266.268 ; 356.819,267.132 357.581,267.132 ; 356.819,268.656 357.124,268.656 ; 356.819,268.707 357.073,268.707 ; 356.819,268.757 357.073,268.757 ; 356.819,268.808 357.073,268.808 ; 356.819,268.859 357.022,268.859 ; 356.819,268.91 357.073,268.91 ; 356.819,268.961 357.073,268.961 ; 356.819,269.011 357.073,269.011 ; 356.819,269.062 357.124,269.062 ; 356.819,270.129 361.036,270.129 ; 356.819,272.567 358.038,272.567 ; 356.819,272.618 357.683,272.618 ; 356.819,272.669 357.073,272.669 ; 356.819,272.72 357.073,272.72 ; 356.819,272.771 357.073,272.771 ; 356.819,272.821 357.073,272.821 ; 356.819,272.872 357.073,272.872 ; 356.819,272.923 357.073,272.923 ; 356.819,272.974 357.073,272.974 ; 356.819,273.025 357.073,273.025 ; 356.819,273.075 357.073,273.075 ; 356.819,273.126 357.073,273.126 ; 356.819,273.177 357.073,273.177 ; 356.819,273.228 357.073,273.228 ; 356.819,273.279 357.073,273.279 ; 356.819,273.329 357.073,273.329 ; 356.819,273.38 357.073,273.38 ; 356.819,273.431 357.073,273.431 ; 356.819,273.482 357.073,273.482 ; 356.819,273.533 357.073,273.533 ; 356.819,273.583 357.073,273.583 ; 356.819,273.634 357.073,273.634 ; 356.819,273.685 357.073,273.685 ; 356.819,273.736 357.073,273.736 ; 356.819,273.787 357.073,273.787 ; 356.819,273.837 357.073,273.837 ; 356.819,273.888 357.073,273.888 ; 356.819,273.939 357.073,273.939 ; 356.87,260.934 357.073,260.934 ; 356.87,266.217 357.581,266.217 ; 356.87,267.183 357.53,267.183 ; 356.87,268.605 357.226,268.605 ; 356.87,269.113 357.175,269.113 ; 356.87,269.164 357.327,269.164 ; 356.87,272.466 358.445,272.466 ; 356.87,272.517 358.242,272.517 ; 356.87,273.99 357.073,273.99 ; 356.87,274.041 357.124,274.041 ; 356.87,274.091 357.124,274.091 ; 356.87,274.142 357.124,274.142 ; 356.87,274.193 357.124,274.193 ; 356.87,274.244 357.124,274.244 ; 356.87,274.295 357.124,274.295 ; 356.87,274.345 357.124,274.345 ; 356.87,274.396 357.124,274.396 ; 356.87,274.447 357.124,274.447 ; 356.87,274.498 357.124,274.498 ; 356.87,274.549 357.124,274.549 ; 356.87,274.599 357.124,274.599 ; 356.87,274.65 357.124,274.65 ; 356.87,274.701 357.124,274.701 ; 356.87,274.752 357.124,274.752 ; 356.87,274.803 357.124,274.803 ; 356.87,274.853 358.8,274.853 ; 356.87,274.904 358.597,274.904 ; 356.921,266.167 357.48,266.167 ; 356.921,268.554 357.784,268.554 ; 356.921,269.215 357.784,269.215 ; 356.921,271.551 358.14,271.551 ; 356.921,271.602 358.14,271.602 ; 356.921,271.653 358.14,271.653 ; 356.921,271.704 358.089,271.704 ; 356.921,271.755 358.089,271.755 ; 356.921,271.907 357.327,271.907 ; 356.921,271.958 357.378,271.958 ; 356.921,272.009 357.378,272.009 ; 356.921,272.415 358.597,272.415 ; 356.921,274.955 358.343,274.955 ; 356.921,275.006 358.14,275.006 ; 356.972,260.883 357.175,260.883 ; 356.972,267.233 357.48,267.233 ; 356.972,268.503 357.734,268.503 ; 356.972,269.265 357.734,269.265 ; 357.022,261.645 357.175,261.645 ; 357.022,261.798 357.175,261.798 ; 357.022,261.849 357.124,261.849 ; 357.022,261.899 357.124,261.899 ; 357.022,261.95 357.124,261.95 ; 357.022,262.001 357.073,262.001 ; 357.022,268.453 357.683,268.453 ; 357.022,269.316 357.632,269.316 ; 357.022,275.057 357.835,275.057 ; 357.073,261.391 357.175,261.391 ; 357.073,261.442 357.175,261.442 ; 357.073,261.493 357.175,261.493 ; 357.073,261.544 357.175,261.544 ; 357.073,261.595 357.175,261.595 ; 357.073,261.696 357.175,261.696 ; 357.073,261.747 357.175,261.747 ; 357.073,268.402 357.632,268.402 ; 357.124,261.29 357.175,261.29 ; 357.124,261.341 357.175,261.341 ; 357.124,266.116 357.327,266.116 ; 357.124,267.284 357.327,267.284 ; 357.124,269.367 357.581,269.367 ; 357.226,268.351 357.48,268.351 ; 357.276,267.03 357.683,267.03 ; 357.327,261.087 357.429,261.087 ; 357.327,261.137 357.429,261.137 ; 357.327,261.188 357.429,261.188 ; 357.327,261.239 357.429,261.239 ; 357.327,261.29 357.429,261.29 ; 357.327,261.341 357.429,261.341 ; 357.327,261.391 357.429,261.391 ; 357.327,261.442 357.378,261.442 ; 357.327,261.493 357.378,261.493 ; 357.327,266.37 357.683,266.37 ; 357.378,260.934 357.48,260.934 ; 357.378,260.985 357.48,260.985 ; 357.378,261.036 357.429,261.036 ; 357.378,265.709 359.41,265.709 ; 357.378,266.979 357.734,266.979 ; 357.378,269.164 357.784,269.164 ; 357.429,260.833 357.53,260.833 ; 357.429,260.883 357.53,260.883 ; 357.429,266.421 357.734,266.421 ; 357.429,267.691 358.038,267.691 ; 357.429,269.926 361.086,269.926 ; 357.48,260.731 357.734,260.731 ; 357.48,260.782 357.632,260.782 ; 357.48,266.471 357.734,266.471 ; 357.48,266.929 357.734,266.929 ; 357.48,268.605 357.835,268.605 ; 357.48,271.805 358.038,271.805 ; 357.48,271.958 357.937,271.958 ; 357.48,272.009 357.886,272.009 ; 357.48,272.059 357.937,272.059 ; 357.53,260.68 358.242,260.68 ; 357.53,266.522 357.784,266.522 ; 357.53,266.573 357.784,266.573 ; 357.53,266.624 357.784,266.624 ; 357.53,266.675 357.784,266.675 ; 357.53,266.725 357.784,266.725 ; 357.53,266.776 357.784,266.776 ; 357.53,266.827 357.784,266.827 ; 357.53,266.878 357.784,266.878 ; 357.53,268.656 357.835,268.656 ; 357.53,269.113 357.835,269.113 ; 357.53,271.856 358.038,271.856 ; 357.53,271.907 357.988,271.907 ; 357.53,272.11 358.14,272.11 ; 357.53,272.161 357.937,272.161 ; 357.581,260.629 358.191,260.629 ; 357.581,268.707 357.835,268.707 ; 357.581,269.011 357.886,269.011 ; 357.581,269.062 357.835,269.062 ; 357.632,260.579 358.191,260.579 ; 357.632,261.137 357.886,261.137 ; 357.632,261.188 357.835,261.188 ; 357.632,263.271 357.683,263.271 ; 357.632,263.322 357.683,263.322 ; 357.632,265.76 359.461,265.76 ; 357.632,267.64 358.038,267.64 ; 357.632,267.945 359.41,267.945 ; 357.632,268.757 357.886,268.757 ; 357.632,268.808 357.886,268.808 ; 357.632,268.859 357.886,268.859 ; 357.632,268.91 357.886,268.91 ; 357.632,268.961 357.886,268.961 ; 357.632,269.875 360.477,269.875 ; 357.683,260.528 358.14,260.528 ; 357.683,261.087 357.886,261.087 ; 357.683,261.239 357.835,261.239 ; 357.683,263.169 357.784,263.169 ; 357.683,263.22 357.784,263.22 ; 357.734,261.036 357.835,261.036 ; 357.734,261.29 357.784,261.29 ; 357.734,263.119 357.886,263.119 ; 357.734,265.811 359.512,265.811 ; 357.734,267.589 358.14,267.589 ; 357.734,272.364 358.75,272.364 ; 357.784,263.068 357.937,263.068 ; 357.784,265.862 359.562,265.862 ; 357.784,267.538 358.242,267.538 ; 357.784,267.995 359.41,267.995 ; 357.784,269.824 360.528,269.824 ; 357.835,260.477 358.038,260.477 ; 357.835,262.966 358.038,262.966 ; 357.835,263.017 357.988,263.017 ; 357.835,267.487 361.188,267.487 ; 357.835,274.803 358.953,274.803 ; 357.886,262.915 358.089,262.915 ; 357.886,265.913 359.664,265.913 ; 357.886,268.046 359.41,268.046 ; 357.886,269.773 359.664,269.773 ; 357.937,262.865 358.14,262.865 ; 357.937,265.963 359.664,265.963 ; 357.937,266.014 359.715,266.014 ; 357.937,267.437 361.188,267.437 ; 357.937,268.097 358.8,268.097 ; 357.988,260.731 358.242,260.731 ; 357.988,266.065 360.477,266.065 ; 357.988,267.386 361.188,267.386 ; 357.988,269.723 359.664,269.723 ; 358.038,261.239 358.089,261.239 ; 358.038,262.814 358.191,262.814 ; 358.038,266.116 360.528,266.116 ; 358.038,267.335 361.137,267.335 ; 358.038,268.148 358.699,268.148 ; 358.038,269.672 359.664,269.672 ; 358.038,272.313 358.851,272.313 ; 358.089,260.782 358.242,260.782 ; 358.089,261.087 358.191,261.087 ; 358.089,261.137 358.14,261.137 ; 358.089,261.188 358.14,261.188 ; 358.089,262.763 358.242,262.763 ; 358.089,266.167 360.578,266.167 ; 358.089,268.199 361.34,268.199 ; 358.089,269.621 359.664,269.621 ; 358.14,260.833 358.242,260.833 ; 358.14,260.883 358.242,260.883 ; 358.14,260.934 358.242,260.934 ; 358.14,260.985 358.191,260.985 ; 358.14,261.036 358.191,261.036 ; 358.14,262.712 358.343,262.712 ; 358.14,266.217 360.578,266.217 ; 358.14,268.249 361.34,268.249 ; 358.14,268.3 361.34,268.3 ; 358.14,269.519 361.239,269.519 ; 358.14,269.57 361.188,269.57 ; 358.14,271.958 358.546,271.958 ; 358.14,272.009 358.394,272.009 ; 358.14,272.059 358.292,272.059 ; 358.14,274.752 359.105,274.752 ; 358.191,262.661 358.394,262.661 ; 358.191,266.268 360.578,266.268 ; 358.191,268.351 361.34,268.351 ; 358.191,269.469 361.239,269.469 ; 358.191,271.755 358.902,271.755 ; 358.191,271.805 358.292,271.805 ; 358.191,271.907 358.292,271.907 ; 358.242,262.052 358.496,262.052 ; 358.242,262.103 358.496,262.103 ; 358.242,262.153 358.445,262.153 ; 358.242,262.611 358.445,262.611 ; 358.242,268.402 361.34,268.402 ; 358.242,269.418 361.239,269.418 ; 358.242,271.653 359.105,271.653 ; 358.242,271.704 359.004,271.704 ; 358.292,261.95 358.394,261.95 ; 358.292,262.001 358.496,262.001 ; 358.292,262.204 358.394,262.204 ; 358.292,262.56 358.496,262.56 ; 358.292,264.49 358.597,264.49 ; 358.292,264.541 358.546,264.541 ; 358.292,264.592 358.546,264.592 ; 358.292,264.643 358.546,264.643 ; 358.292,264.693 358.597,264.693 ; 358.292,264.744 358.75,264.744 ; 358.292,267.538 358.546,267.538 ; 358.292,269.367 361.239,269.367 ; 358.292,272.263 359.004,272.263 ; 358.343,264.338 358.597,264.338 ; 358.343,264.389 358.597,264.389 ; 358.343,264.439 358.597,264.439 ; 358.343,264.795 358.851,264.795 ; 358.343,264.846 359.004,264.846 ; 358.343,271.602 359.156,271.602 ; 358.394,262.509 358.546,262.509 ; 358.394,264.236 359.258,264.236 ; 358.394,264.287 359.359,264.287 ; 358.394,274.701 359.258,274.701 ; 358.445,261.29 358.546,261.29 ; 358.445,261.341 358.496,261.341 ; 358.445,262.458 358.648,262.458 ; 358.445,264.185 359.105,264.185 ; 358.445,264.897 359.105,264.897 ; 358.445,267.792 359.41,267.792 ; 358.445,271.907 358.648,271.907 ; 358.445,272.212 359.105,272.212 ; 358.496,261.188 358.75,261.188 ; 358.496,261.239 358.699,261.239 ; 358.496,262.407 358.699,262.407 ; 358.496,264.135 358.953,264.135 ; 358.496,267.741 359.461,267.741 ; 358.496,271.551 359.207,271.551 ; 358.496,271.805 358.851,271.805 ; 358.496,271.856 358.75,271.856 ; 358.546,261.137 358.8,261.137 ; 358.546,262.357 358.75,262.357 ; 358.546,267.691 359.512,267.691 ; 358.597,264.084 358.75,264.084 ; 358.597,264.947 359.156,264.947 ; 358.597,267.538 360.426,267.538 ; 358.597,267.589 360.426,267.589 ; 358.597,267.64 359.613,267.64 ; 358.597,272.161 359.207,272.161 ; 358.597,274.65 359.359,274.65 ; 358.648,262.306 358.8,262.306 ; 358.699,261.087 359.156,261.087 ; 358.699,262.255 358.851,262.255 ; 358.699,264.998 359.258,264.998 ; 358.699,272.11 359.258,272.11 ; 358.75,259.969 359.207,259.969 ; 358.75,260.02 359.156,260.02 ; 358.75,260.071 359.156,260.071 ; 358.75,260.121 358.953,260.121 ; 358.75,260.172 358.902,260.172 ; 358.75,261.036 359.156,261.036 ; 358.75,262.204 358.902,262.204 ; 358.75,274.599 359.512,274.599 ; 358.8,259.918 358.902,259.918 ; 358.8,260.934 359.105,260.934 ; 358.8,260.985 359.156,260.985 ; 358.8,262.153 358.953,262.153 ; 358.8,264.338 359.512,264.338 ; 358.851,260.883 359.054,260.883 ; 358.851,265.049 359.359,265.049 ; 358.851,272.059 359.359,272.059 ; 358.902,262.103 358.953,262.103 ; 358.902,265.1 359.41,265.1 ; 358.953,261.137 359.156,261.137 ; 358.953,261.899 359.054,261.899 ; 358.953,261.95 359.054,261.95 ; 358.953,262.001 359.004,262.001 ; 358.953,264.389 359.613,264.389 ; 358.953,268.097 359.41,268.097 ; 358.953,272.009 359.461,272.009 ; 358.953,274.549 359.613,274.549 ; 359.004,259.918 359.156,259.918 ; 359.004,260.121 359.105,260.121 ; 359.004,261.188 359.156,261.188 ; 359.004,261.595 359.156,261.595 ; 359.004,261.645 359.105,261.645 ; 359.004,261.696 359.105,261.696 ; 359.004,261.747 359.105,261.747 ; 359.004,261.798 359.105,261.798 ; 359.004,261.849 359.054,261.849 ; 359.004,265.151 359.512,265.151 ; 359.054,259.867 359.105,259.867 ; 359.054,261.239 359.156,261.239 ; 359.054,261.29 359.156,261.29 ; 359.054,261.341 359.156,261.341 ; 359.054,261.391 359.258,261.391 ; 359.054,261.442 359.207,261.442 ; 359.054,261.493 359.207,261.493 ; 359.054,261.544 359.156,261.544 ; 359.054,268.148 359.41,268.148 ; 359.054,271.958 359.512,271.958 ; 359.105,264.439 359.715,264.439 ; 359.105,265.201 359.562,265.201 ; 359.105,274.498 359.715,274.498 ; 359.156,271.907 359.613,271.907 ; 359.207,261.29 359.41,261.29 ; 359.207,261.341 359.359,261.341 ; 359.207,264.49 359.816,264.49 ; 359.207,265.252 359.664,265.252 ; 359.207,274.447 359.816,274.447 ; 359.258,261.239 359.512,261.239 ; 359.258,271.856 359.664,271.856 ; 359.308,261.188 359.613,261.188 ; 359.308,265.303 359.715,265.303 ; 359.308,271.805 359.766,271.805 ; 359.359,261.137 359.816,261.137 ; 359.359,264.541 359.918,264.541 ; 359.359,265.354 359.766,265.354 ; 359.359,274.396 359.918,274.396 ; 359.41,261.087 360.274,261.087 ; 359.41,271.755 359.816,271.755 ; 359.461,261.036 360.782,261.036 ; 359.461,264.592 360.02,264.592 ; 359.461,265.405 359.867,265.405 ; 359.461,271.704 359.867,271.704 ; 359.461,274.345 360.02,274.345 ; 359.512,265.455 359.918,265.455 ; 359.512,271.653 359.918,271.653 ; 359.562,260.985 360.782,260.985 ; 359.562,264.643 360.121,264.643 ; 359.562,265.506 359.969,265.506 ; 359.562,274.295 360.121,274.295 ; 359.613,271.602 359.969,271.602 ; 359.664,260.934 360.782,260.934 ; 359.664,265.557 360.02,265.557 ; 359.664,271.551 360.02,271.551 ; 359.664,274.244 360.223,274.244 ; 359.715,264.693 360.172,264.693 ; 359.715,265.608 360.121,265.608 ; 359.715,267.64 360.426,267.64 ; 359.766,264.744 360.274,264.744 ; 359.766,265.659 360.121,265.659 ; 359.766,274.193 360.274,274.193 ; 359.816,260.883 360.731,260.883 ; 359.816,265.709 360.172,265.709 ; 359.816,267.691 360.477,267.691 ; 359.816,269.621 359.867,269.621 ; 359.816,269.773 360.528,269.773 ; 359.867,264.795 360.375,264.795 ; 359.867,267.741 360.477,267.741 ; 359.867,267.792 360.477,267.792 ; 359.867,267.843 360.477,267.843 ; 359.867,268.148 360.274,268.148 ; 359.867,274.142 360.375,274.142 ; 359.918,265.76 360.223,265.76 ; 359.918,267.894 360.477,267.894 ; 359.969,264.846 360.426,264.846 ; 359.969,265.811 360.274,265.811 ; 359.969,267.945 360.477,267.945 ; 359.969,269.723 360.578,269.723 ; 359.969,274.091 360.426,274.091 ; 360.02,260.833 360.629,260.833 ; 360.02,265.862 360.324,265.862 ; 360.02,265.913 360.375,265.913 ; 360.02,274.041 360.528,274.041 ; 360.07,264.897 360.528,264.897 ; 360.07,265.963 360.375,265.963 ; 360.121,266.014 360.426,266.014 ; 360.121,269.672 360.578,269.672 ; 360.121,273.99 360.578,273.99 ; 360.172,264.947 360.578,264.947 ; 360.223,264.998 360.68,264.998 ; 360.223,273.939 360.629,273.939 ; 360.274,269.621 360.578,269.621 ; 360.274,273.888 360.731,273.888 ; 360.324,265.049 360.731,265.049 ; 360.324,267.995 360.477,267.995 ; 360.324,268.046 360.477,268.046 ; 360.324,268.097 360.477,268.097 ; 360.324,268.148 360.477,268.148 ; 360.375,265.1 360.782,265.1 ; 360.375,273.837 360.782,273.837 ; 360.426,261.087 360.782,261.087 ; 360.426,265.151 360.832,265.151 ; 360.426,273.787 360.832,273.787 ; 360.477,267.538 360.629,267.538 ; 360.477,273.736 360.883,273.736 ; 360.528,265.201 360.934,265.201 ; 360.528,267.589 360.629,267.589 ; 360.528,267.64 360.629,267.64 ; 360.528,267.691 360.629,267.691 ; 360.528,267.741 360.629,267.741 ; 360.528,267.792 360.68,267.792 ; 360.528,267.843 360.68,267.843 ; 360.528,267.894 360.68,267.894 ; 360.528,267.945 360.68,267.945 ; 360.528,267.995 360.68,267.995 ; 360.528,268.046 360.731,268.046 ; 360.528,268.097 360.731,268.097 ; 360.528,268.148 360.731,268.148 ; 360.578,265.252 360.985,265.252 ; 360.578,273.685 360.985,273.685 ; 360.629,261.137 360.782,261.137 ; 360.629,265.303 361.036,265.303 ; 360.629,273.634 361.036,273.634 ; 360.68,261.188 360.782,261.188 ; 360.68,267.538 361.188,267.538 ; 360.68,273.583 361.086,273.583 ; 360.731,261.239 360.782,261.239 ; 360.731,265.354 361.086,265.354 ; 360.782,265.405 361.137,265.405 ; 360.782,273.533 361.137,273.533 ; 360.832,265.455 361.188,265.455 ; 360.832,273.482 361.188,273.482 ; 360.883,265.506 361.239,265.506 ; 360.883,269.773 361.137,269.773 ; 360.883,269.824 361.137,269.824 ; 360.883,269.875 361.137,269.875 ; 360.883,273.431 361.239,273.431 ; 360.934,261.341 361.137,261.341 ; 360.934,261.391 361.29,261.391 ; 360.934,265.557 361.29,265.557 ; 360.934,269.621 361.188,269.621 ; 360.934,269.672 361.188,269.672 ; 360.934,269.723 361.188,269.723 ; 360.934,273.38 361.29,273.38 ; 360.985,261.29 361.086,261.29 ; 360.985,265.608 361.34,265.608 ; 360.985,267.589 361.239,267.589 ; 360.985,267.64 361.239,267.64 ; 360.985,267.691 361.239,267.691 ; 360.985,267.741 361.239,267.741 ; 360.985,273.329 361.34,273.329 ; 361.036,261.188 361.188,261.188 ; 361.036,261.239 361.137,261.239 ; 361.036,261.442 361.239,261.442 ; 361.036,265.659 361.391,265.659 ; 361.036,267.792 361.29,267.792 ; 361.036,267.843 361.29,267.843 ; 361.036,267.894 361.29,267.894 ; 361.036,267.945 361.29,267.945 ; 361.036,267.995 361.29,267.995 ; 361.036,268.046 361.29,268.046 ; 361.036,268.097 361.29,268.097 ; 361.036,268.148 361.34,268.148 ; 361.036,273.279 361.391,273.279 ; 361.086,261.137 361.29,261.137 ; 361.086,265.709 361.442,265.709 ; 361.086,273.228 361.442,273.228 ; 361.137,261.036 361.747,261.036 ; 361.137,261.087 361.747,261.087 ; 361.137,273.177 361.493,273.177 ; 361.188,260.985 361.696,260.985 ; 361.188,261.341 361.34,261.341 ; 361.188,265.76 361.493,265.76 ; 361.188,273.126 361.544,273.126 ; 361.239,260.934 361.696,260.934 ; 361.239,265.811 361.544,265.811 ; 361.239,265.862 361.594,265.862 ; 361.239,273.075 361.594,273.075 ; 361.29,259.918 361.544,259.918 ; 361.29,259.969 361.544,259.969 ; 361.29,260.02 361.493,260.02 ; 361.29,260.071 361.493,260.071 ; 361.29,261.239 361.391,261.239 ; 361.29,261.29 361.34,261.29 ; 361.29,265.913 361.645,265.913 ; 361.29,273.025 361.645,273.025 ; 361.34,259.867 361.493,259.867 ; 361.34,260.121 361.442,260.121 ; 361.34,260.883 361.645,260.883 ; 361.34,261.137 361.442,261.137